# KiCad board panelized.kicad_pcb (continued)
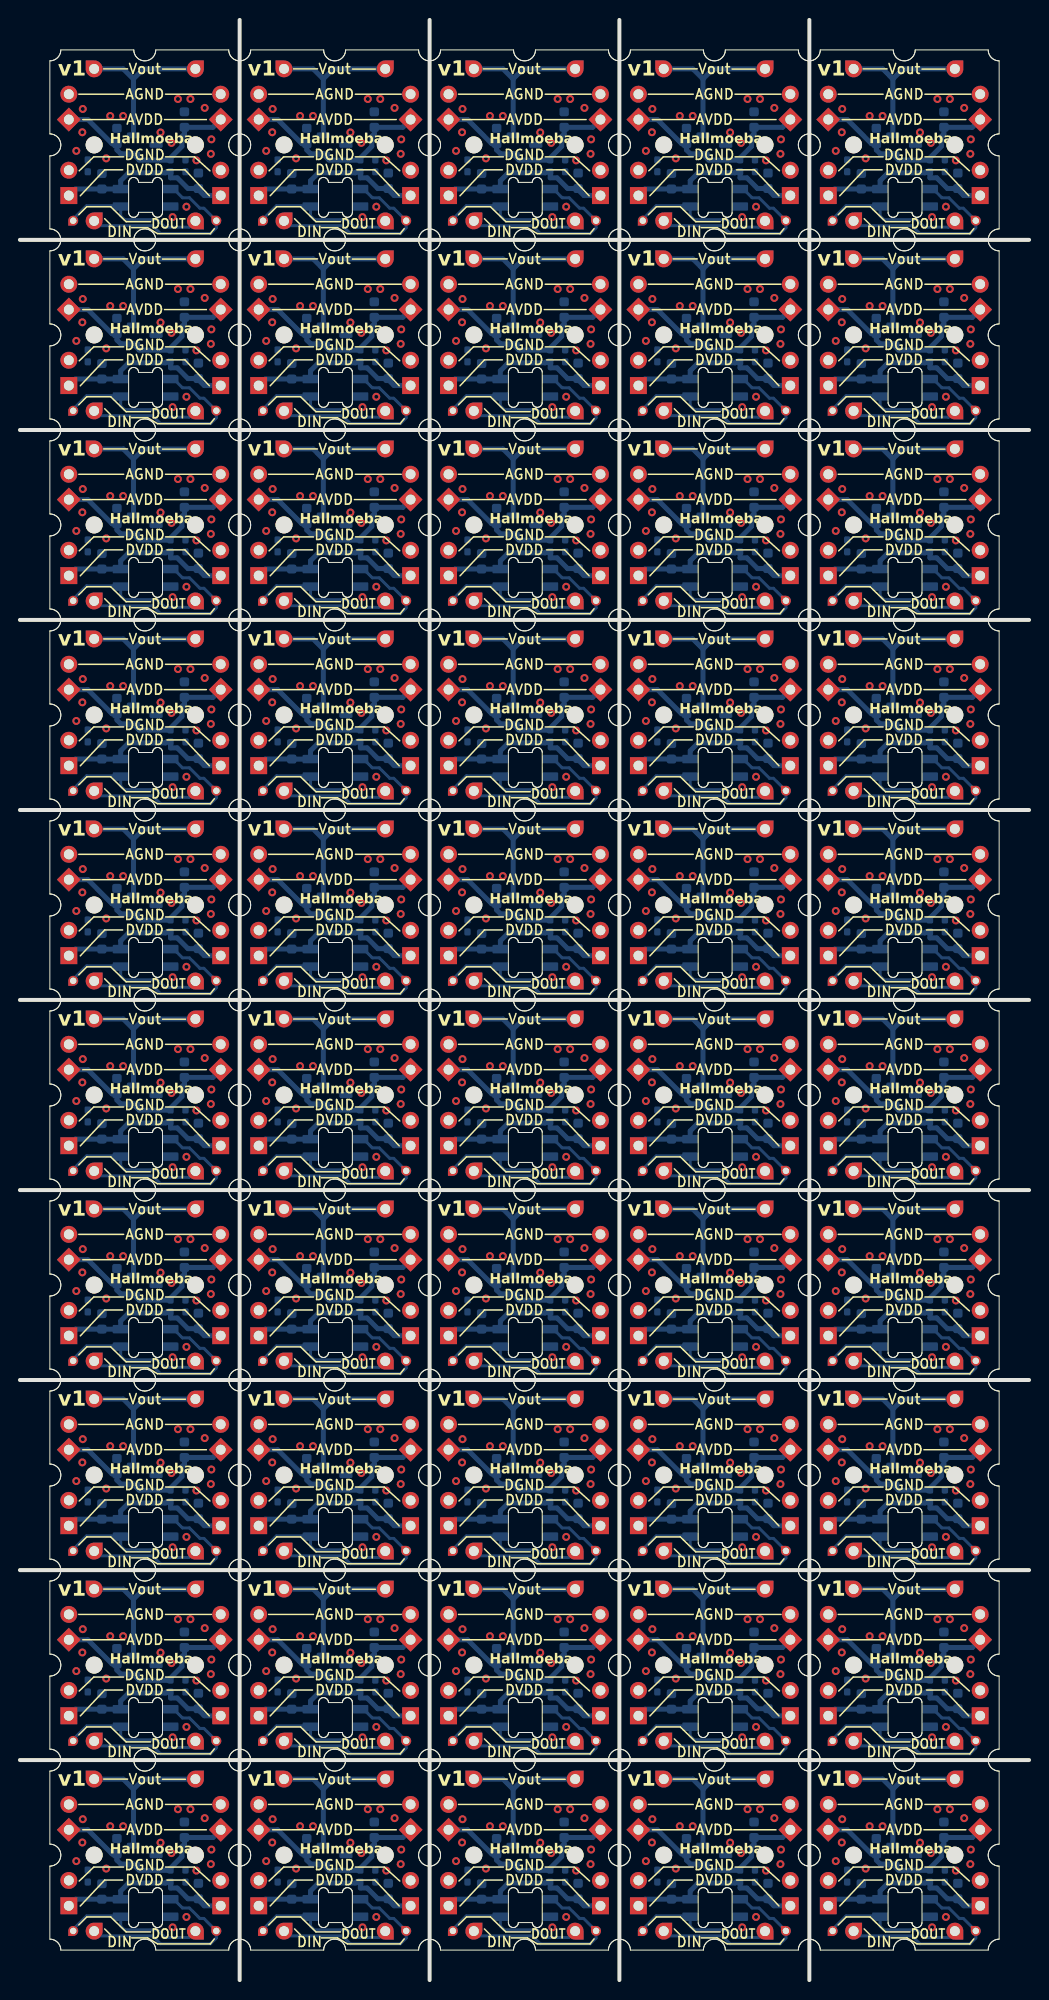
[diagram p0: board, top side]
## Placement (name value [footprint] x y rotation side) (continued)
J9#41  Conn_01x01_Pin  [PinHeader_1x01_P2.54mm_Vertical]  36.66 153.5 90 bottom
J9#42  Conn_01x01_Pin  [PinHeader_1x01_P2.54mm_Vertical]  36.66 96.34 90 bottom
J9#43  Conn_01x01_Pin  [PinHeader_1x01_P2.54mm_Vertical]  74.75 39.19 90 bottom
J9#44  Conn_01x01_Pin  [PinHeader_1x01_P2.54mm_Vertical]  17.61 134.44 90 bottom
J9#45  Conn_01x01_Pin  [PinHeader_1x01_P2.54mm_Vertical]  74.75 153.5 90 bottom
J9#46  Conn_01x01_Pin  [PinHeader_1x01_P2.54mm_Vertical]  17.61 191.59 90 bottom
J9#47  Conn_01x01_Pin  [PinHeader_1x01_P2.54mm_Vertical]  93.81 77.29 90 bottom
J9#48  Conn_01x01_Pin  [PinHeader_1x01_P2.54mm_Vertical]  55.71 153.5 90 bottom
J9#49  Conn_01x01_Pin  [PinHeader_1x01_P2.54mm_Vertical]  74.75 115.39 90 bottom
J9#50  Conn_01x01_Pin  [PinHeader_1x01_P2.54mm_Vertical]  74.75 20.15 90 bottom
J10  Conn_01x01_Pin  [PinHeader_1x01_P2.54mm_Vertical]  64.59 134.44 180 bottom
J10#2  Conn_01x01_Pin  [PinHeader_1x01_P2.54mm_Vertical]  83.65 20.15 180 bottom
J10#3  Conn_01x01_Pin  [PinHeader_1x01_P2.54mm_Vertical]  7.44 191.59 180 bottom
J10#4  Conn_01x01_Pin  [PinHeader_1x01_P2.54mm_Vertical]  26.5 115.39 180 bottom
J10#5  Conn_01x01_Pin  [PinHeader_1x01_P2.54mm_Vertical]  64.59 96.34 180 bottom
J10#6  Conn_01x01_Pin  [PinHeader_1x01_P2.54mm_Vertical]  45.54 172.55 180 bottom
J10#7  Conn_01x01_Pin  [PinHeader_1x01_P2.54mm_Vertical]  45.54 96.34 180 bottom
J10#8  Conn_01x01_Pin  [PinHeader_1x01_P2.54mm_Vertical]  7.44 134.44 180 bottom
J10#9  Conn_01x01_Pin  [PinHeader_1x01_P2.54mm_Vertical]  64.59 58.25 180 bottom
J10#10  Conn_01x01_Pin  [PinHeader_1x01_P2.54mm_Vertical]  83.65 96.34 180 bottom
J10#11  Conn_01x01_Pin  [PinHeader_1x01_P2.54mm_Vertical]  83.65 172.55 180 bottom
J10#12  Conn_01x01_Pin  [PinHeader_1x01_P2.54mm_Vertical]  26.5 172.55 180 bottom
J10#13  Conn_01x01_Pin  [PinHeader_1x01_P2.54mm_Vertical]  26.5 58.25 180 bottom
J10#14  Conn_01x01_Pin  [PinHeader_1x01_P2.54mm_Vertical]  83.65 115.39 180 bottom
J10#15  Conn_01x01_Pin  [PinHeader_1x01_P2.54mm_Vertical]  26.5 39.19 180 bottom
J10#16  Conn_01x01_Pin  [PinHeader_1x01_P2.54mm_Vertical]  64.59 39.19 180 bottom
J10#17  Conn_01x01_Pin  [PinHeader_1x01_P2.54mm_Vertical]  83.65 134.44 180 bottom
J10#18  Conn_01x01_Pin  [PinHeader_1x01_P2.54mm_Vertical]  26.5 134.44 180 bottom
J10#19  Conn_01x01_Pin  [PinHeader_1x01_P2.54mm_Vertical]  7.44 115.39 180 bottom
J10#20  Conn_01x01_Pin  [PinHeader_1x01_P2.54mm_Vertical]  26.5 153.5 180 bottom
J10#21  Conn_01x01_Pin  [PinHeader_1x01_P2.54mm_Vertical]  64.59 77.29 180 bottom
J10#22  Conn_01x01_Pin  [PinHeader_1x01_P2.54mm_Vertical]  64.59 153.5 180 bottom
J10#23  Conn_01x01_Pin  [PinHeader_1x01_P2.54mm_Vertical]  26.5 191.59 180 bottom
J10#24  Conn_01x01_Pin  [PinHeader_1x01_P2.54mm_Vertical]  83.65 77.29 180 bottom
J10#25  Conn_01x01_Pin  [PinHeader_1x01_P2.54mm_Vertical]  26.5 77.29 180 bottom
J10#26  Conn_01x01_Pin  [PinHeader_1x01_P2.54mm_Vertical]  45.54 191.59 180 bottom
J10#27  Conn_01x01_Pin  [PinHeader_1x01_P2.54mm_Vertical]  26.5 96.34 180 bottom
J10#28  Conn_01x01_Pin  [PinHeader_1x01_P2.54mm_Vertical]  7.44 20.15 180 bottom
J10#29  Conn_01x01_Pin  [PinHeader_1x01_P2.54mm_Vertical]  7.44 58.25 180 bottom
J10#30  Conn_01x01_Pin  [PinHeader_1x01_P2.54mm_Vertical]  45.54 134.44 180 bottom
J10#31  Conn_01x01_Pin  [PinHeader_1x01_P2.54mm_Vertical]  83.65 39.19 180 bottom
J10#32  Conn_01x01_Pin  [PinHeader_1x01_P2.54mm_Vertical]  7.44 77.29 180 bottom
J10#33  Conn_01x01_Pin  [PinHeader_1x01_P2.54mm_Vertical]  64.59 172.55 180 bottom
J10#34  Conn_01x01_Pin  [PinHeader_1x01_P2.54mm_Vertical]  45.54 58.25 180 bottom
J10#35  Conn_01x01_Pin  [PinHeader_1x01_P2.54mm_Vertical]  64.59 20.15 180 bottom
J10#36  Conn_01x01_Pin  [PinHeader_1x01_P2.54mm_Vertical]  83.65 153.5 180 bottom
J10#37  Conn_01x01_Pin  [PinHeader_1x01_P2.54mm_Vertical]  7.44 153.5 180 bottom
J10#38  Conn_01x01_Pin  [PinHeader_1x01_P2.54mm_Vertical]  83.65 58.25 180 bottom
J10#39  Conn_01x01_Pin  [PinHeader_1x01_P2.54mm_Vertical]  45.54 153.5 180 bottom
J10#40  Conn_01x01_Pin  [PinHeader_1x01_P2.54mm_Vertical]  83.65 191.59 180 bottom
J10#41  Conn_01x01_Pin  [PinHeader_1x01_P2.54mm_Vertical]  64.59 191.59 180 bottom
J10#42  Conn_01x01_Pin  [PinHeader_1x01_P2.54mm_Vertical]  7.44 172.55 180 bottom
J10#43  Conn_01x01_Pin  [PinHeader_1x01_P2.54mm_Vertical]  7.44 39.19 180 bottom
J10#44  Conn_01x01_Pin  [PinHeader_1x01_P2.54mm_Vertical]  45.54 20.15 180 bottom
J10#45  Conn_01x01_Pin  [PinHeader_1x01_P2.54mm_Vertical]  45.54 115.39 180 bottom
J10#46  Conn_01x01_Pin  [PinHeader_1x01_P2.54mm_Vertical]  45.54 39.19 180 bottom
J10#47  Conn_01x01_Pin  [PinHeader_1x01_P2.54mm_Vertical]  7.44 96.34 180 bottom
J10#48  Conn_01x01_Pin  [PinHeader_1x01_P2.54mm_Vertical]  26.5 20.15 180 bottom
J10#49  Conn_01x01_Pin  [PinHeader_1x01_P2.54mm_Vertical]  64.59 115.39 180 bottom
J10#50  Conn_01x01_Pin  [PinHeader_1x01_P2.54mm_Vertical]  45.54 77.29 180 bottom
J11  Conn_01x01_Pin  [PinHeader_1x01_P1.27mm_Vertical]  43.44 62.07 180 bottom
J11#2  Conn_01x01_Pin  [PinHeader_1x01_P1.27mm_Vertical]  81.54 43.03 180 bottom
J11#3  Conn_01x01_Pin  [PinHeader_1x01_P1.27mm_Vertical]  5.34 62.07 180 bottom
J11#4  Conn_01x01_Pin  [PinHeader_1x01_P1.27mm_Vertical]  62.5 43.03 180 bottom
J11#5  Conn_01x01_Pin  [PinHeader_1x01_P1.27mm_Vertical]  43.44 23.97 180 bottom
J11#6  Conn_01x01_Pin  [PinHeader_1x01_P1.27mm_Vertical]  5.34 100.17 180 bottom
J11#7  Conn_01x01_Pin  [PinHeader_1x01_P1.27mm_Vertical]  24.39 43.03 180 bottom
J11#8  Conn_01x01_Pin  [PinHeader_1x01_P1.27mm_Vertical]  5.34 138.28 180 bottom
J11#9  Conn_01x01_Pin  [PinHeader_1x01_P1.27mm_Vertical]  5.34 176.38 180 bottom
J11#10  Conn_01x01_Pin  [PinHeader_1x01_P1.27mm_Vertical]  43.44 81.12 180 bottom
J11#11  Conn_01x01_Pin  [PinHeader_1x01_P1.27mm_Vertical]  24.39 81.12 180 bottom
J11#12  Conn_01x01_Pin  [PinHeader_1x01_P1.27mm_Vertical]  81.54 100.17 180 bottom
J11#13  Conn_01x01_Pin  [PinHeader_1x01_P1.27mm_Vertical]  24.39 119.22 180 bottom
J11#14  Conn_01x01_Pin  [PinHeader_1x01_P1.27mm_Vertical]  62.5 23.97 180 bottom
J11#15  Conn_01x01_Pin  [PinHeader_1x01_P1.27mm_Vertical]  62.5 157.32 180 bottom
J11#16  Conn_01x01_Pin  [PinHeader_1x01_P1.27mm_Vertical]  43.44 138.28 180 bottom
J11#17  Conn_01x01_Pin  [PinHeader_1x01_P1.27mm_Vertical]  62.5 4.93 180 bottom
J11#18  Conn_01x01_Pin  [PinHeader_1x01_P1.27mm_Vertical]  43.44 100.17 180 bottom
J11#19  Conn_01x01_Pin  [PinHeader_1x01_P1.27mm_Vertical]  62.5 138.28 180 bottom
J11#20  Conn_01x01_Pin  [PinHeader_1x01_P1.27mm_Vertical]  24.39 100.17 180 bottom
J11#21  Conn_01x01_Pin  [PinHeader_1x01_P1.27mm_Vertical]  43.44 4.93 180 bottom
J11#22  Conn_01x01_Pin  [PinHeader_1x01_P1.27mm_Vertical]  5.34 4.93 180 bottom
J11#23  Conn_01x01_Pin  [PinHeader_1x01_P1.27mm_Vertical]  43.44 157.32 180 bottom
J11#24  Conn_01x01_Pin  [PinHeader_1x01_P1.27mm_Vertical]  5.34 119.22 180 bottom
J11#25  Conn_01x01_Pin  [PinHeader_1x01_P1.27mm_Vertical]  62.5 100.17 180 bottom
J11#26  Conn_01x01_Pin  [PinHeader_1x01_P1.27mm_Vertical]  24.39 23.97 180 bottom
J11#27  Conn_01x01_Pin  [PinHeader_1x01_P1.27mm_Vertical]  81.54 176.38 180 bottom
J11#28  Conn_01x01_Pin  [PinHeader_1x01_P1.27mm_Vertical]  24.39 4.93 180 bottom
J11#29  Conn_01x01_Pin  [PinHeader_1x01_P1.27mm_Vertical]  81.54 138.28 180 bottom
J11#30  Conn_01x01_Pin  [PinHeader_1x01_P1.27mm_Vertical]  24.39 176.38 180 bottom
J11#31  Conn_01x01_Pin  [PinHeader_1x01_P1.27mm_Vertical]  5.34 43.03 180 bottom
J11#32  Conn_01x01_Pin  [PinHeader_1x01_P1.27mm_Vertical]  81.54 62.07 180 bottom
J11#33  Conn_01x01_Pin  [PinHeader_1x01_P1.27mm_Vertical]  81.54 157.32 180 bottom
J11#34  Conn_01x01_Pin  [PinHeader_1x01_P1.27mm_Vertical]  81.54 81.12 180 bottom
J11#35  Conn_01x01_Pin  [PinHeader_1x01_P1.27mm_Vertical]  81.54 4.93 180 bottom
J11#36  Conn_01x01_Pin  [PinHeader_1x01_P1.27mm_Vertical]  62.5 119.22 180 bottom
J11#37  Conn_01x01_Pin  [PinHeader_1x01_P1.27mm_Vertical]  62.5 176.38 180 bottom
J11#38  Conn_01x01_Pin  [PinHeader_1x01_P1.27mm_Vertical]  5.34 23.97 180 bottom
J11#39  Conn_01x01_Pin  [PinHeader_1x01_P1.27mm_Vertical]  43.44 43.03 180 bottom
J11#40  Conn_01x01_Pin  [PinHeader_1x01_P1.27mm_Vertical]  5.34 157.32 180 bottom
J11#41  Conn_01x01_Pin  [PinHeader_1x01_P1.27mm_Vertical]  43.44 119.22 180 bottom
J11#42  Conn_01x01_Pin  [PinHeader_1x01_P1.27mm_Vertical]  24.39 62.07 180 bottom
J11#43  Conn_01x01_Pin  [PinHeader_1x01_P1.27mm_Vertical]  81.54 119.22 180 bottom
J11#44  Conn_01x01_Pin  [PinHeader_1x01_P1.27mm_Vertical]  62.5 81.12 180 bottom
J11#45  Conn_01x01_Pin  [PinHeader_1x01_P1.27mm_Vertical]  5.34 81.12 180 bottom
J11#46  Conn_01x01_Pin  [PinHeader_1x01_P1.27mm_Vertical]  81.54 23.97 180 bottom
J11#47  Conn_01x01_Pin  [PinHeader_1x01_P1.27mm_Vertical]  43.44 176.38 180 bottom
J11#48  Conn_01x01_Pin  [PinHeader_1x01_P1.27mm_Vertical]  24.39 138.28 180 bottom
J11#49  Conn_01x01_Pin  [PinHeader_1x01_P1.27mm_Vertical]  24.39 157.32 180 bottom
J11#50  Conn_01x01_Pin  [PinHeader_1x01_P1.27mm_Vertical]  62.5 62.07 180 bottom
J12  Conn_01x01_Pin  [PinHeader_1x01_P2.54mm_Vertical]  36.66 138.25 180 bottom
J12#2  Conn_01x01_Pin  [PinHeader_1x01_P2.54mm_Vertical]  36.66 4.91 180 bottom
J12#3  Conn_01x01_Pin  [PinHeader_1x01_P2.54mm_Vertical]  17.61 138.25 180 bottom
J12#4  Conn_01x01_Pin  [PinHeader_1x01_P2.54mm_Vertical]  74.75 23.96 180 bottom
J12#5  Conn_01x01_Pin  [PinHeader_1x01_P2.54mm_Vertical]  93.81 100.16 180 bottom
J12#6  Conn_01x01_Pin  [PinHeader_1x01_P2.54mm_Vertical]  17.61 43 180 bottom
J12#7  Conn_01x01_Pin  [PinHeader_1x01_P2.54mm_Vertical]  55.71 138.25 180 bottom
J12#8  Conn_01x01_Pin  [PinHeader_1x01_P2.54mm_Vertical]  93.81 176.35 180 bottom
J12#9  Conn_01x01_Pin  [PinHeader_1x01_P2.54mm_Vertical]  36.66 176.35 180 bottom
J12#10  Conn_01x01_Pin  [PinHeader_1x01_P2.54mm_Vertical]  93.81 43 180 bottom
J12#11  Conn_01x01_Pin  [PinHeader_1x01_P2.54mm_Vertical]  17.61 157.31 180 bottom
J12#12  Conn_01x01_Pin  [PinHeader_1x01_P2.54mm_Vertical]  36.66 119.2 180 bottom
J12#13  Conn_01x01_Pin  [PinHeader_1x01_P2.54mm_Vertical]  36.66 100.16 180 bottom
J12#14  Conn_01x01_Pin  [PinHeader_1x01_P2.54mm_Vertical]  93.81 81.1 180 bottom
J12#15  Conn_01x01_Pin  [PinHeader_1x01_P2.54mm_Vertical]  55.71 43 180 bottom
J12#16  Conn_01x01_Pin  [PinHeader_1x01_P2.54mm_Vertical]  74.75 100.16 180 bottom
J12#17  Conn_01x01_Pin  [PinHeader_1x01_P2.54mm_Vertical]  55.71 100.16 180 bottom
J12#18  Conn_01x01_Pin  [PinHeader_1x01_P2.54mm_Vertical]  17.61 62.06 180 bottom
J12#19  Conn_01x01_Pin  [PinHeader_1x01_P2.54mm_Vertical]  93.81 4.91 180 bottom
J12#20  Conn_01x01_Pin  [PinHeader_1x01_P2.54mm_Vertical]  36.66 23.96 180 bottom
J12#21  Conn_01x01_Pin  [PinHeader_1x01_P2.54mm_Vertical]  36.66 81.1 180 bottom
J12#22  Conn_01x01_Pin  [PinHeader_1x01_P2.54mm_Vertical]  55.71 176.35 180 bottom
J12#23  Conn_01x01_Pin  [PinHeader_1x01_P2.54mm_Vertical]  36.66 62.06 180 bottom
J12#24  Conn_01x01_Pin  [PinHeader_1x01_P2.54mm_Vertical]  17.61 100.16 180 bottom
J12#25  Conn_01x01_Pin  [PinHeader_1x01_P2.54mm_Vertical]  74.75 157.31 180 bottom
J12#26  Conn_01x01_Pin  [PinHeader_1x01_P2.54mm_Vertical]  55.71 23.96 180 bottom
J12#27  Conn_01x01_Pin  [PinHeader_1x01_P2.54mm_Vertical]  74.75 138.25 180 bottom
J12#28  Conn_01x01_Pin  [PinHeader_1x01_P2.54mm_Vertical]  17.61 176.35 180 bottom
J12#29  Conn_01x01_Pin  [PinHeader_1x01_P2.54mm_Vertical]  93.81 119.2 180 bottom
J12#30  Conn_01x01_Pin  [PinHeader_1x01_P2.54mm_Vertical]  93.81 138.25 180 bottom
J12#31  Conn_01x01_Pin  [PinHeader_1x01_P2.54mm_Vertical]  93.81 23.96 180 bottom
J12#32  Conn_01x01_Pin  [PinHeader_1x01_P2.54mm_Vertical]  36.66 157.31 180 bottom
J12#33  Conn_01x01_Pin  [PinHeader_1x01_P2.54mm_Vertical]  93.81 62.06 180 bottom
J12#34  Conn_01x01_Pin  [PinHeader_1x01_P2.54mm_Vertical]  74.75 119.2 180 bottom
J12#35  Conn_01x01_Pin  [PinHeader_1x01_P2.54mm_Vertical]  17.61 4.91 180 bottom
J12#36  Conn_01x01_Pin  [PinHeader_1x01_P2.54mm_Vertical]  74.75 81.1 180 bottom
J12#37  Conn_01x01_Pin  [PinHeader_1x01_P2.54mm_Vertical]  55.71 4.91 180 bottom
J12#38  Conn_01x01_Pin  [PinHeader_1x01_P2.54mm_Vertical]  74.75 4.91 180 bottom
J12#39  Conn_01x01_Pin  [PinHeader_1x01_P2.54mm_Vertical]  55.71 119.2 180 bottom
J12#40  Conn_01x01_Pin  [PinHeader_1x01_P2.54mm_Vertical]  74.75 62.06 180 bottom
J12#41  Conn_01x01_Pin  [PinHeader_1x01_P2.54mm_Vertical]  55.71 81.1 180 bottom
J12#42  Conn_01x01_Pin  [PinHeader_1x01_P2.54mm_Vertical]  36.66 43 180 bottom
J12#43  Conn_01x01_Pin  [PinHeader_1x01_P2.54mm_Vertical]  74.75 176.35 180 bottom
J12#44  Conn_01x01_Pin  [PinHeader_1x01_P2.54mm_Vertical]  17.61 23.96 180 bottom
J12#45  Conn_01x01_Pin  [PinHeader_1x01_P2.54mm_Vertical]  55.71 157.31 180 bottom
J12#46  Conn_01x01_Pin  [PinHeader_1x01_P2.54mm_Vertical]  17.61 119.2 180 bottom
J12#47  Conn_01x01_Pin  [PinHeader_1x01_P2.54mm_Vertical]  17.61 81.1 180 bottom
J12#48  Conn_01x01_Pin  [PinHeader_1x01_P2.54mm_Vertical]  55.71 62.06 180 bottom
J12#49  Conn_01x01_Pin  [PinHeader_1x01_P2.54mm_Vertical]  74.75 43 180 bottom
J12#50  Conn_01x01_Pin  [PinHeader_1x01_P2.54mm_Vertical]  93.81 157.31 180 bottom
J13  Conn_01x01_Pin  [PinHeader_1x01_P1.27mm_Vertical]  57.81 157.32 180 bottom
J13#2  Conn_01x01_Pin  [PinHeader_1x01_P1.27mm_Vertical]  57.81 43.03 180 bottom
J13#3  Conn_01x01_Pin  [PinHeader_1x01_P1.27mm_Vertical]  19.7 43.03 180 bottom
J13#4  Conn_01x01_Pin  [PinHeader_1x01_P1.27mm_Vertical]  95.91 100.17 180 bottom
J13#5  Conn_01x01_Pin  [PinHeader_1x01_P1.27mm_Vertical]  19.7 138.28 180 bottom
J13#6  Conn_01x01_Pin  [PinHeader_1x01_P1.27mm_Vertical]  95.91 4.93 180 bottom
J13#7  Conn_01x01_Pin  [PinHeader_1x01_P1.27mm_Vertical]  38.75 4.93 180 bottom
J13#8  Conn_01x01_Pin  [PinHeader_1x01_P1.27mm_Vertical]  38.75 23.97 180 bottom
J13#9  Conn_01x01_Pin  [PinHeader_1x01_P1.27mm_Vertical]  76.85 100.17 180 bottom
J13#10  Conn_01x01_Pin  [PinHeader_1x01_P1.27mm_Vertical]  76.85 23.97 180 bottom
J13#11  Conn_01x01_Pin  [PinHeader_1x01_P1.27mm_Vertical]  57.81 119.22 180 bottom
J13#12  Conn_01x01_Pin  [PinHeader_1x01_P1.27mm_Vertical]  57.81 138.28 180 bottom
J13#13  Conn_01x01_Pin  [PinHeader_1x01_P1.27mm_Vertical]  57.81 100.17 180 bottom
J13#14  Conn_01x01_Pin  [PinHeader_1x01_P1.27mm_Vertical]  38.75 81.12 180 bottom
J13#15  Conn_01x01_Pin  [PinHeader_1x01_P1.27mm_Vertical]  57.81 62.07 180 bottom
J13#16  Conn_01x01_Pin  [PinHeader_1x01_P1.27mm_Vertical]  57.81 4.93 180 bottom
J13#17  Conn_01x01_Pin  [PinHeader_1x01_P1.27mm_Vertical]  95.91 43.03 180 bottom
J13#18  Conn_01x01_Pin  [PinHeader_1x01_P1.27mm_Vertical]  19.7 62.07 180 bottom
J13#19  Conn_01x01_Pin  [PinHeader_1x01_P1.27mm_Vertical]  95.91 23.97 180 bottom
J13#20  Conn_01x01_Pin  [PinHeader_1x01_P1.27mm_Vertical]  76.85 4.93 180 bottom
J13#21  Conn_01x01_Pin  [PinHeader_1x01_P1.27mm_Vertical]  38.75 100.17 180 bottom
J13#22  Conn_01x01_Pin  [PinHeader_1x01_P1.27mm_Vertical]  57.81 81.12 180 bottom
J13#23  Conn_01x01_Pin  [PinHeader_1x01_P1.27mm_Vertical]  76.85 176.38 180 bottom
J13#24  Conn_01x01_Pin  [PinHeader_1x01_P1.27mm_Vertical]  76.85 157.32 180 bottom
J13#25  Conn_01x01_Pin  [PinHeader_1x01_P1.27mm_Vertical]  95.91 62.07 180 bottom
J13#26  Conn_01x01_Pin  [PinHeader_1x01_P1.27mm_Vertical]  19.7 23.97 180 bottom
J13#27  Conn_01x01_Pin  [PinHeader_1x01_P1.27mm_Vertical]  38.75 176.38 180 bottom
J13#28  Conn_01x01_Pin  [PinHeader_1x01_P1.27mm_Vertical]  38.75 138.28 180 bottom
J13#29  Conn_01x01_Pin  [PinHeader_1x01_P1.27mm_Vertical]  95.91 138.28 180 bottom
J13#30  Conn_01x01_Pin  [PinHeader_1x01_P1.27mm_Vertical]  76.85 119.22 180 bottom
J13#31  Conn_01x01_Pin  [PinHeader_1x01_P1.27mm_Vertical]  38.75 43.03 180 bottom
J13#32  Conn_01x01_Pin  [PinHeader_1x01_P1.27mm_Vertical]  95.91 81.12 180 bottom
J13#33  Conn_01x01_Pin  [PinHeader_1x01_P1.27mm_Vertical]  57.81 176.38 180 bottom
J13#34  Conn_01x01_Pin  [PinHeader_1x01_P1.27mm_Vertical]  95.91 157.32 180 bottom
J13#35  Conn_01x01_Pin  [PinHeader_1x01_P1.27mm_Vertical]  76.85 62.07 180 bottom
J13#36  Conn_01x01_Pin  [PinHeader_1x01_P1.27mm_Vertical]  57.81 23.97 180 bottom
J13#37  Conn_01x01_Pin  [PinHeader_1x01_P1.27mm_Vertical]  95.91 176.38 180 bottom
J13#38  Conn_01x01_Pin  [PinHeader_1x01_P1.27mm_Vertical]  38.75 157.32 180 bottom
J13#39  Conn_01x01_Pin  [PinHeader_1x01_P1.27mm_Vertical]  95.91 119.22 180 bottom
J13#40  Conn_01x01_Pin  [PinHeader_1x01_P1.27mm_Vertical]  19.7 157.32 180 bottom
J13#41  Conn_01x01_Pin  [PinHeader_1x01_P1.27mm_Vertical]  76.85 138.28 180 bottom
J13#42  Conn_01x01_Pin  [PinHeader_1x01_P1.27mm_Vertical]  19.7 119.22 180 bottom
J13#43  Conn_01x01_Pin  [PinHeader_1x01_P1.27mm_Vertical]  19.7 4.93 180 bottom
J13#44  Conn_01x01_Pin  [PinHeader_1x01_P1.27mm_Vertical]  19.7 176.38 180 bottom
J13#45  Conn_01x01_Pin  [PinHeader_1x01_P1.27mm_Vertical]  76.85 43.03 180 bottom
J13#46  Conn_01x01_Pin  [PinHeader_1x01_P1.27mm_Vertical]  19.7 81.12 180 bottom
J13#47  Conn_01x01_Pin  [PinHeader_1x01_P1.27mm_Vertical]  19.7 100.17 180 bottom
J13#48  Conn_01x01_Pin  [PinHeader_1x01_P1.27mm_Vertical]  38.75 62.07 180 bottom
J13#49  Conn_01x01_Pin  [PinHeader_1x01_P1.27mm_Vertical]  38.75 119.22 180 bottom
J13#50  Conn_01x01_Pin  [PinHeader_1x01_P1.27mm_Vertical]  76.85 81.12 180 bottom
J14  Conn_01x01_Pin  [PinHeader_1x01_P2.54mm_Vertical]  7.44 81.1 90 bottom
J14#2  Conn_01x01_Pin  [PinHeader_1x01_P2.54mm_Vertical]  26.5 81.1 90 bottom
J14#3  Conn_01x01_Pin  [PinHeader_1x01_P2.54mm_Vertical]  26.5 4.91 90 bottom
J14#4  Conn_01x01_Pin  [PinHeader_1x01_P2.54mm_Vertical]  7.44 100.16 90 bottom
J14#5  Conn_01x01_Pin  [PinHeader_1x01_P2.54mm_Vertical]  64.59 4.91 90 bottom
J14#6  Conn_01x01_Pin  [PinHeader_1x01_P2.54mm_Vertical]  26.5 138.25 90 bottom
J14#7  Conn_01x01_Pin  [PinHeader_1x01_P2.54mm_Vertical]  26.5 119.2 90 bottom
J14#8  Conn_01x01_Pin  [PinHeader_1x01_P2.54mm_Vertical]  7.44 157.31 90 bottom
J14#9  Conn_01x01_Pin  [PinHeader_1x01_P2.54mm_Vertical]  45.54 43 90 bottom
J14#10  Conn_01x01_Pin  [PinHeader_1x01_P2.54mm_Vertical]  7.44 23.96 90 bottom
J14#11  Conn_01x01_Pin  [PinHeader_1x01_P2.54mm_Vertical]  64.59 23.96 90 bottom
J14#12  Conn_01x01_Pin  [PinHeader_1x01_P2.54mm_Vertical]  26.5 100.16 90 bottom
J14#13  Conn_01x01_Pin  [PinHeader_1x01_P2.54mm_Vertical]  45.54 81.1 90 bottom
J14#14  Conn_01x01_Pin  [PinHeader_1x01_P2.54mm_Vertical]  45.54 138.25 90 bottom
J14#15  Conn_01x01_Pin  [PinHeader_1x01_P2.54mm_Vertical]  26.5 157.31 90 bottom
J14#16  Conn_01x01_Pin  [PinHeader_1x01_P2.54mm_Vertical]  83.65 119.2 90 bottom
J14#17  Conn_01x01_Pin  [PinHeader_1x01_P2.54mm_Vertical]  7.44 176.35 90 bottom
J14#18  Conn_01x01_Pin  [PinHeader_1x01_P2.54mm_Vertical]  64.59 157.31 90 bottom
J14#19  Conn_01x01_Pin  [PinHeader_1x01_P2.54mm_Vertical]  45.54 176.35 90 bottom
J14#20  Conn_01x01_Pin  [PinHeader_1x01_P2.54mm_Vertical]  64.59 176.35 90 bottom
J14#21  Conn_01x01_Pin  [PinHeader_1x01_P2.54mm_Vertical]  45.54 119.2 90 bottom
J14#22  Conn_01x01_Pin  [PinHeader_1x01_P2.54mm_Vertical]  7.44 43 90 bottom
J14#23  Conn_01x01_Pin  [PinHeader_1x01_P2.54mm_Vertical]  45.54 62.06 90 bottom
J14#24  Conn_01x01_Pin  [PinHeader_1x01_P2.54mm_Vertical]  64.59 62.06 90 bottom
J14#25  Conn_01x01_Pin  [PinHeader_1x01_P2.54mm_Vertical]  83.65 81.1 90 bottom
J14#26  Conn_01x01_Pin  [PinHeader_1x01_P2.54mm_Vertical]  26.5 23.96 90 bottom
J14#27  Conn_01x01_Pin  [PinHeader_1x01_P2.54mm_Vertical]  83.65 4.91 90 bottom
J14#28  Conn_01x01_Pin  [PinHeader_1x01_P2.54mm_Vertical]  83.65 100.16 90 bottom
J14#29  Conn_01x01_Pin  [PinHeader_1x01_P2.54mm_Vertical]  7.44 119.2 90 bottom
J14#30  Conn_01x01_Pin  [PinHeader_1x01_P2.54mm_Vertical]  45.54 100.16 90 bottom
J14#31  Conn_01x01_Pin  [PinHeader_1x01_P2.54mm_Vertical]  83.65 176.35 90 bottom
J14#32  Conn_01x01_Pin  [PinHeader_1x01_P2.54mm_Vertical]  83.65 62.06 90 bottom
J14#33  Conn_01x01_Pin  [PinHeader_1x01_P2.54mm_Vertical]  64.59 119.2 90 bottom
J14#34  Conn_01x01_Pin  [PinHeader_1x01_P2.54mm_Vertical]  64.59 81.1 90 bottom
J14#35  Conn_01x01_Pin  [PinHeader_1x01_P2.54mm_Vertical]  83.65 43 90 bottom
J14#36  Conn_01x01_Pin  [PinHeader_1x01_P2.54mm_Vertical]  26.5 62.06 90 bottom
J14#37  Conn_01x01_Pin  [PinHeader_1x01_P2.54mm_Vertical]  64.59 138.25 90 bottom
J14#38  Conn_01x01_Pin  [PinHeader_1x01_P2.54mm_Vertical]  64.59 43 90 bottom
J14#39  Conn_01x01_Pin  [PinHeader_1x01_P2.54mm_Vertical]  26.5 176.35 90 bottom
J14#40  Conn_01x01_Pin  [PinHeader_1x01_P2.54mm_Vertical]  7.44 138.25 90 bottom
J14#41  Conn_01x01_Pin  [PinHeader_1x01_P2.54mm_Vertical]  83.65 23.96 90 bottom
J14#42  Conn_01x01_Pin  [PinHeader_1x01_P2.54mm_Vertical]  26.5 43 90 bottom
J14#43  Conn_01x01_Pin  [PinHeader_1x01_P2.54mm_Vertical]  45.54 4.91 90 bottom
J14#44  Conn_01x01_Pin  [PinHeader_1x01_P2.54mm_Vertical]  7.44 4.91 90 bottom
J14#45  Conn_01x01_Pin  [PinHeader_1x01_P2.54mm_Vertical]  83.65 157.31 90 bottom
J14#46  Conn_01x01_Pin  [PinHeader_1x01_P2.54mm_Vertical]  83.65 138.25 90 bottom
J14#47  Conn_01x01_Pin  [PinHeader_1x01_P2.54mm_Vertical]  45.54 23.96 90 bottom
J14#48  Conn_01x01_Pin  [PinHeader_1x01_P2.54mm_Vertical]  45.54 157.31 90 bottom
J14#49  Conn_01x01_Pin  [PinHeader_1x01_P2.54mm_Vertical]  7.44 62.06 90 bottom
J14#50  Conn_01x01_Pin  [PinHeader_1x01_P2.54mm_Vertical]  64.59 100.16 90 bottom
R1  R  [R_0402_1005Metric_Pad0.72x0.64mm_HandSolder]  92.81 162.82 90 bottom
R1#2  R  [R_0402_1005Metric_Pad0.72x0.64mm_HandSolder]  54.71 105.67 90 bottom
R1#3  R  [R_0402_1005Metric_Pad0.72x0.64mm_HandSolder]  16.61 105.67 90 bottom
R1#4  R  [R_0402_1005Metric_Pad0.72x0.64mm_HandSolder]  54.71 10.43 90 bottom
R1#5  R  [R_0402_1005Metric_Pad0.72x0.64mm_HandSolder]  73.75 124.72 90 bottom
R1#6  R  [R_0402_1005Metric_Pad0.72x0.64mm_HandSolder]  73.75 29.47 90 bottom
R1#7  R  [R_0402_1005Metric_Pad0.72x0.64mm_HandSolder]  54.71 29.47 90 bottom
R1#8  R  [R_0402_1005Metric_Pad0.72x0.64mm_HandSolder]  16.61 67.57 90 bottom
R1#9  R  [R_0402_1005Metric_Pad0.72x0.64mm_HandSolder]  35.66 162.82 90 bottom
R1#10  R  [R_0402_1005Metric_Pad0.72x0.64mm_HandSolder]  73.75 162.82 90 bottom
R1#11  R  [R_0402_1005Metric_Pad0.72x0.64mm_HandSolder]  16.61 181.88 90 bottom
R1#12  R  [R_0402_1005Metric_Pad0.72x0.64mm_HandSolder]  92.81 67.57 90 bottom
R1#13  R  [R_0402_1005Metric_Pad0.72x0.64mm_HandSolder]  35.66 143.78 90 bottom
R1#14  R  [R_0402_1005Metric_Pad0.72x0.64mm_HandSolder]  73.75 86.62 90 bottom
R1#15  R  [R_0402_1005Metric_Pad0.72x0.64mm_HandSolder]  92.81 86.62 90 bottom
R1#16  R  [R_0402_1005Metric_Pad0.72x0.64mm_HandSolder]  35.66 86.62 90 bottom
R1#17  R  [R_0402_1005Metric_Pad0.72x0.64mm_HandSolder]  35.66 124.72 90 bottom
R1#18  R  [R_0402_1005Metric_Pad0.72x0.64mm_HandSolder]  92.81 105.67 90 bottom
R1#19  R  [R_0402_1005Metric_Pad0.72x0.64mm_HandSolder]  35.66 48.53 90 bottom
R1#20  R  [R_0402_1005Metric_Pad0.72x0.64mm_HandSolder]  73.75 10.43 90 bottom
R1#21  R  [R_0402_1005Metric_Pad0.72x0.64mm_HandSolder]  16.61 48.53 90 bottom
R1#22  R  [R_0402_1005Metric_Pad0.72x0.64mm_HandSolder]  16.61 162.82 90 bottom
R1#23  R  [R_0402_1005Metric_Pad0.72x0.64mm_HandSolder]  73.75 48.53 90 bottom
R1#24  R  [R_0402_1005Metric_Pad0.72x0.64mm_HandSolder]  92.81 124.72 90 bottom
R1#25  R  [R_0402_1005Metric_Pad0.72x0.64mm_HandSolder]  54.71 48.53 90 bottom
R1#26  R  [R_0402_1005Metric_Pad0.72x0.64mm_HandSolder]  54.71 67.57 90 bottom
R1#27  R  [R_0402_1005Metric_Pad0.72x0.64mm_HandSolder]  92.81 10.43 90 bottom
R1#28  R  [R_0402_1005Metric_Pad0.72x0.64mm_HandSolder]  73.75 67.57 90 bottom
R1#29  R  [R_0402_1005Metric_Pad0.72x0.64mm_HandSolder]  16.61 124.72 90 bottom
R1#30  R  [R_0402_1005Metric_Pad0.72x0.64mm_HandSolder]  16.61 143.78 90 bottom
R1#31  R  [R_0402_1005Metric_Pad0.72x0.64mm_HandSolder]  35.66 67.57 90 bottom
R1#32  R  [R_0402_1005Metric_Pad0.72x0.64mm_HandSolder]  35.66 181.88 90 bottom
R1#33  R  [R_0402_1005Metric_Pad0.72x0.64mm_HandSolder]  35.66 29.47 90 bottom
R1#34  R  [R_0402_1005Metric_Pad0.72x0.64mm_HandSolder]  54.71 86.62 90 bottom
R1#35  R  [R_0402_1005Metric_Pad0.72x0.64mm_HandSolder]  92.81 181.88 90 bottom
R1#36  R  [R_0402_1005Metric_Pad0.72x0.64mm_HandSolder]  73.75 105.67 90 bottom
R1#37  R  [R_0402_1005Metric_Pad0.72x0.64mm_HandSolder]  92.81 29.47 90 bottom
R1#38  R  [R_0402_1005Metric_Pad0.72x0.64mm_HandSolder]  54.71 124.72 90 bottom
R1#39  R  [R_0402_1005Metric_Pad0.72x0.64mm_HandSolder]  35.66 105.67 90 bottom
R1#40  R  [R_0402_1005Metric_Pad0.72x0.64mm_HandSolder]  16.61 86.62 90 bottom
R1#41  R  [R_0402_1005Metric_Pad0.72x0.64mm_HandSolder]  54.71 162.82 90 bottom
R1#42  R  [R_0402_1005Metric_Pad0.72x0.64mm_HandSolder]  35.66 10.43 90 bottom
R1#43  R  [R_0402_1005Metric_Pad0.72x0.64mm_HandSolder]  16.61 29.47 90 bottom
R1#44  R  [R_0402_1005Metric_Pad0.72x0.64mm_HandSolder]  92.81 48.53 90 bottom
R1#45  R  [R_0402_1005Metric_Pad0.72x0.64mm_HandSolder]  54.71 143.78 90 bottom
R1#46  R  [R_0402_1005Metric_Pad0.72x0.64mm_HandSolder]  73.75 181.88 90 bottom
R1#47  R  [R_0402_1005Metric_Pad0.72x0.64mm_HandSolder]  54.71 181.88 90 bottom